# KiCad board Infernum breakout.kicad_pcb
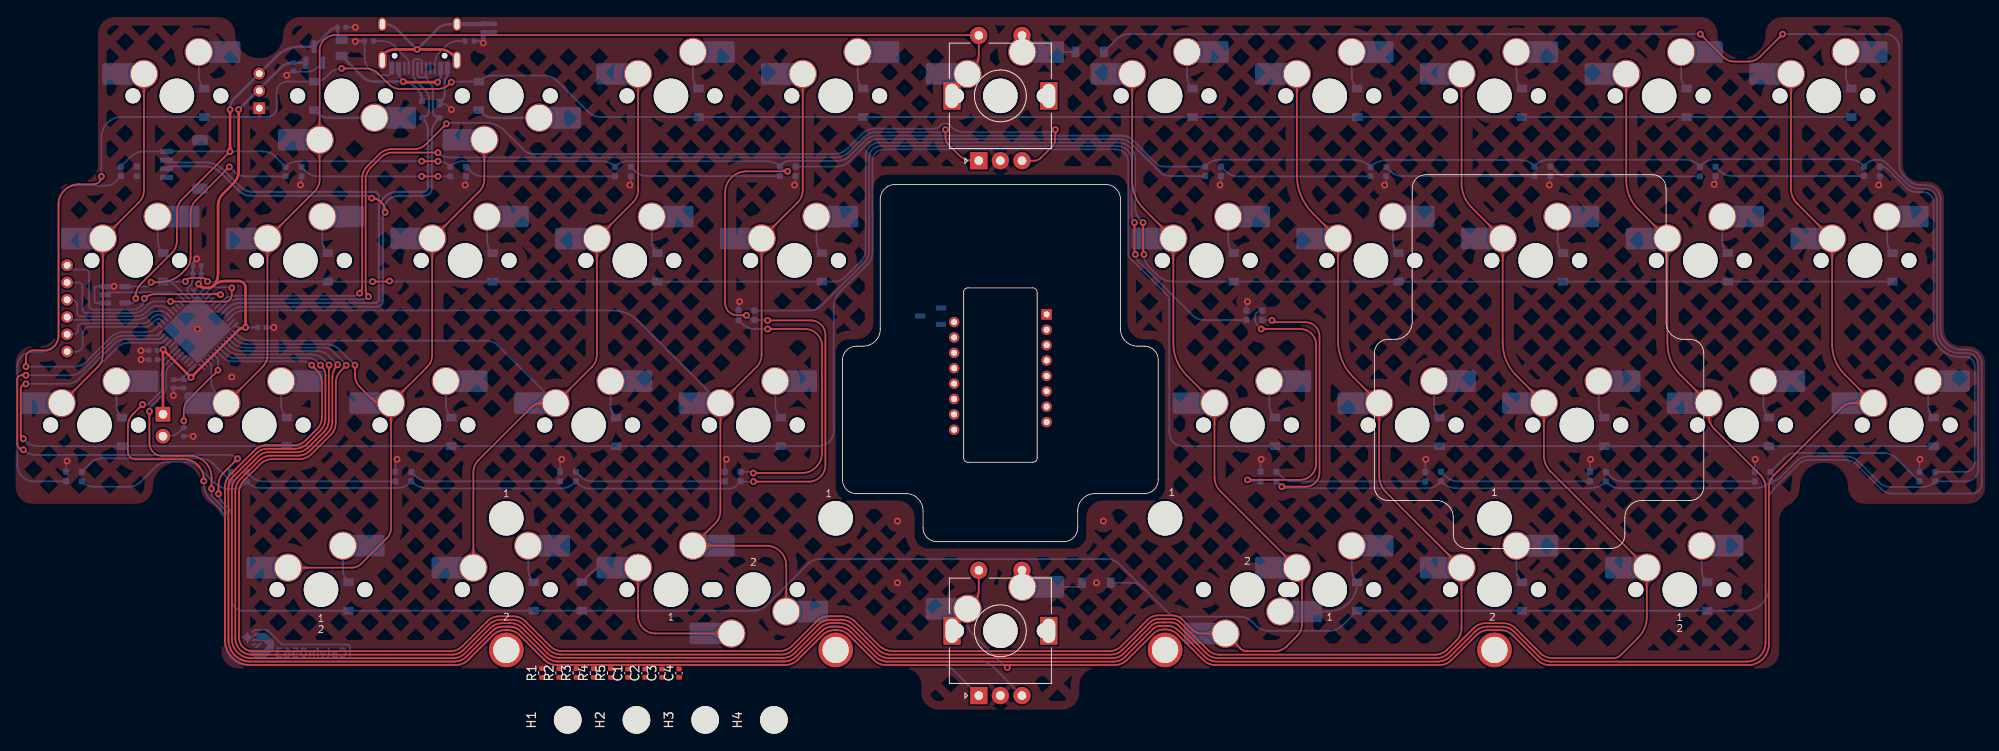
[diagram p0: board, top side]
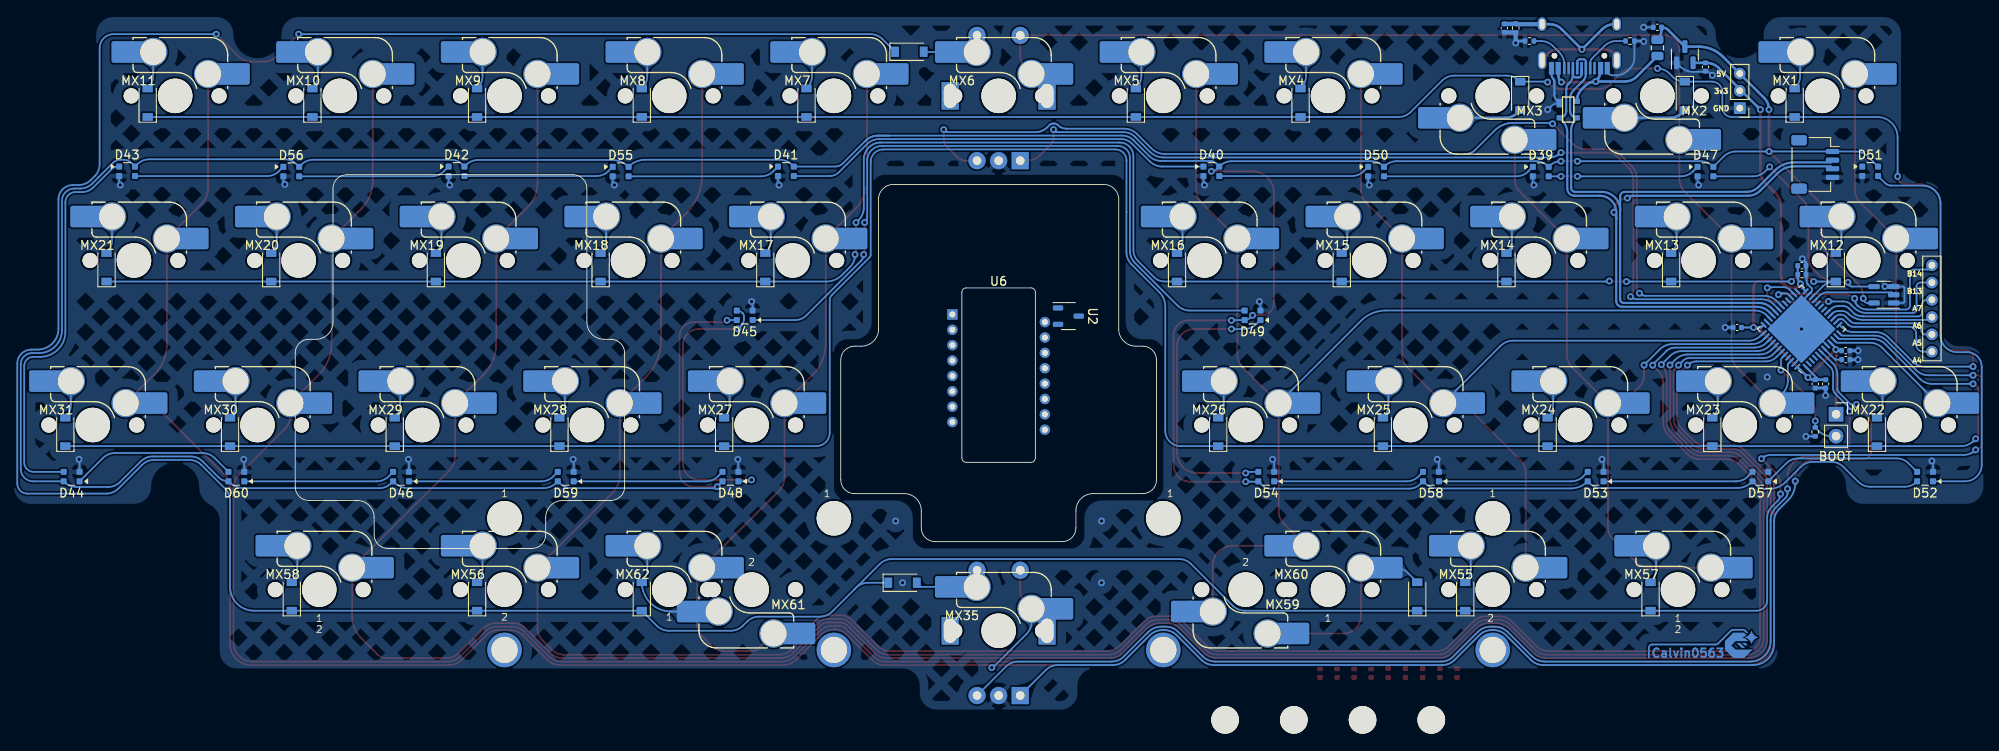
[diagram p1: board, bottom side, seen from below]

Outline 99.62 x 43.26 mm; copper layers: Top, Bottom. Coordinates in mm from the lower left corner of the outline.
Outline path: 0,21.83 arc(0.46,22.95) 1.59,23.42 2.38,23.42 arc(3.78,24) 4.37,25.4 4.37,40.55 arc(4.99,41.74) 6.28,42.14 30.23,42.14 arc(31.52,41.74) 32.15,40.55 32.15,25.4 arc(32.73,24) 34.13,23.42 34.93,23.42 arc(36.05,22.95) 36.51,21.83 36.51,7.94 arc(36.05,6.81) 34.93,6.35 29.18,6.35 arc(27.78,5.77) 27.2,4.37 27.2,2.38 arc(26.74,1.26) 25.61,0.79 10.9,0.79 arc(9.78,1.26) 9.31,2.38 9.31,4.37 arc(8.73,5.77) 7.33,6.35 1.59,6.35 arc(0.46,6.81) 0,7.94 0,21.83 ; 14.01,29.66 14.01,10.47 arc(14.15,10.12) 14.51,9.97 22.01,9.97 arc(22.36,10.12) 22.51,10.47 22.51,29.66 arc(22.36,30.02) 22.01,30.16 14.51,30.16 arc(14.15,30.02) 14.01,29.66 ; 61.52,22.62 61.52,7.14 arc(61.98,6.02) 63.1,5.56 68.66,5.56 arc(70.06,4.98) 70.64,3.57 70.64,1.59 arc(71.11,0.46) 72.23,0 88.9,0 arc(90.02,0.46) 90.49,1.59 90.49,3.57 arc(91.07,4.98) 92.47,5.56 98.03,5.56 arc(99.15,6.02) 99.62,7.14 99.62,22.62 arc(99.15,23.74) 98.03,24.21 97.23,24.21 arc(95.83,24.79) 95.25,26.19 95.25,41.67 arc(94.79,42.79) 93.66,43.26 67.47,43.26 arc(66.35,42.79) 65.88,41.67 65.88,26.19 arc(65.3,24.79) 63.9,24.21 63.1,24.21 arc(61.98,23.74) 61.52,22.62
Stack: Top 0.035mm / dielectric 1.51mm FR4 er 4.5 / Bottom 0.035mm

## Placement (name value [footprint] x y rotation side)
C1  4u7  [C_0402_1005Metric]  -24.83 -14.43 90 top
C2  100n  [C_0402_1005Metric]  -22.86 -14.43 90 top
C3  4u7  [C_0402_1005Metric]  -20.89 -14.43 90 top
C4  4u7  [C_0402_1005Metric]  -18.92 -14.43 90 top
C16  100nf  [C_0402_1005Metric]  -76.2 19.05 270 bottom
C17  100nf  [C_0402_1005Metric]  -79.72 22.9 180 bottom
C18  100nf  [C_0402_1005Metric]  -77.4 19.06 270 bottom
C19  100nf  [C_0402_1005Metric]  -74.66 31.7 180 bottom
C20  100nf  [C_0402_1005Metric]  -67.17 25.58 0 bottom
C21  10uF  [C_0402_1005Metric]  -74.65 32.73 180 bottom
C22  100nf  [C_0402_1005Metric]  -79.74 21.86 180 bottom
C_LDO1  1uF  [C_0402_1005Metric]  -57.94 60.33 0 bottom
C_LDO2  1uF  [C_0402_1005Metric]  -63.5 55.73 270 bottom
C_Shield1  4.7n  [C_0402_1005Metric]  -40.23 60.24 90 bottom
D1  SOD-123  [D_SOD-123]  -73.82 51.59 90 bottom
D2  SOD-123  [D_SOD-123]  -61.12 52.39 270 bottom
D3  SOD-123  [D_SOD-123]  -42.07 52.39 270 bottom
D4  SOD-123  [D_SOD-123]  -16.67 51.59 90 bottom
D5  SOD-123  [D_SOD-123]  2.38 51.59 90 bottom
D6  SOD-123  [D_SOD-123]  28.58 57.49 180 bottom
D7  SOD-123  [D_SOD-123]  40.48 51.59 90 bottom
D8  SOD-123  [D_SOD-123]  59.53 51.59 90 bottom
D9  SOD-123  [D_SOD-123]  78.58 51.59 90 bottom
D10  SOD-123  [D_SOD-123]  97.63 51.59 90 bottom
D11  SOD-123  [D_SOD-123]  116.68 51.59 90 bottom
D12  SOD-123  [D_SOD-123]  -78.58 32.54 90 bottom
D13  SOD-123  [D_SOD-123]  -59.53 32.54 90 bottom
D14  SOD-123  [D_SOD-123]  -40.48 32.54 90 bottom
D15  SOD-123  [D_SOD-123]  -21.43 32.54 90 bottom
D16  SOD-123  [D_SOD-123]  -2.38 32.54 90 bottom
D17  SOD-123  [D_SOD-123]  45.24 32.54 90 bottom
D18  SOD-123  [D_SOD-123]  64.29 32.54 90 bottom
D19  SOD-123  [D_SOD-123]  83.34 32.54 90 bottom
D20  SOD-123  [D_SOD-123]  102.39 32.54 90 bottom
D21  SOD-123  [D_SOD-123]  121.44 32.54 90 bottom
D22  SOD-123  [D_SOD-123]  -83.34 13.49 90 bottom
D23  SOD-123  [D_SOD-123]  -64.29 13.49 90 bottom
D24  SOD-123  [D_SOD-123]  -45.24 13.49 90 bottom
D25  SOD-123  [D_SOD-123]  -26.19 13.49 90 bottom
D26  SOD-123  [D_SOD-123]  -7.14 13.49 90 bottom
D27  SOD-123  [D_SOD-123]  50.01 13.49 90 bottom
D28  SOD-123  [D_SOD-123]  69.06 13.49 90 bottom
D29  SOD-123  [D_SOD-123]  88.11 13.49 90 bottom
D30  SOD-123  [D_SOD-123]  107.16 13.49 90 bottom
D31  SOD-123  [D_SOD-123]  126.21 13.49 90 bottom
D32  SOD-123  [D_SOD-123]  -57.15 -5.56 90 bottom
D33  SOD-123  [D_SOD-123]  -35.72 -5.56 90 bottom
D34  SOD-123  [D_SOD-123]  -30.16 -5.56 90 bottom
D35  SOD-123  [D_SOD-123]  29.37 -3.97 180 bottom
D36  SOD-123  [D_SOD-123]  59.53 -5.56 90 bottom
D37  SOD-123  [D_SOD-123]  78.58 -5.56 90 bottom
D38  SOD-123  [D_SOD-123]  100.01 -5.56 90 bottom
D39  WS2812B-2020  [LED_WS2812_2020]  -44.45 43.62 180 bottom
D40  WS2812B-2020  [LED_WS2812_2020]  -6.35 43.66 180 bottom
D41  WS2812B-2020  [LED_WS2812_2020]  42.86 43.66 180 bottom
D42  WS2812B-2020  [LED_WS2812_2020]  80.96 43.66 180 bottom
D43  WS2812B-2020  [LED_WS2812_2020]  119.06 43.66 180 bottom
D44  WS2812B-2020  [LED_WS2812_2020]  125.48 8.32 0 bottom
D45  WS2812B-2020  [LED_WS2812_2020]  47.62 26.99 0 bottom
D46  WS2812B-2020  [LED_WS2812_2020]  87.38 8.32 0 bottom
D47  WS2812B-2020  [LED_WS2812_2020]  -63.5 43.62 180 bottom
D48  WS2812B-2020  [LED_WS2812_2020]  49.28 8.32 0 bottom
D49  WS2812B-2020  [LED_WS2812_2020]  -11.11 26.99 0 bottom
D50  WS2812B-2020  [LED_WS2812_2020]  -25.4 43.62 180 bottom
D51  WS2812B-2020  [LED_WS2812_2020]  -82.55 43.66 180 bottom
D52  WS2812B-2020  [LED_WS2812_2020]  -88.9 8.32 0 bottom
D53  WS2812B-2020  [LED_WS2812_2020]  -50.8 8.32 0 bottom
D54  WS2812B-2020  [LED_WS2812_2020]  -12.7 8.32 0 bottom
D55  WS2812B-2020  [LED_WS2812_2020]  61.98 43.62 180 bottom
D56  WS2812B-2020  [LED_WS2812_2020]  100.08 43.62 180 bottom
D57  WS2812B-2020  [LED_WS2812_2020]  -69.85 8.32 0 bottom
D58  WS2812B-2020  [LED_WS2812_2020]  -31.75 8.32 0 bottom
D59  WS2812B-2020  [LED_WS2812_2020]  68.33 8.32 0 bottom
D60  WS2812B-2020  [LED_WS2812_2020]  106.43 8.32 0 bottom
F1  500mA  [Fuse_0805_2012Metric]  -57.94 57.94 90 bottom
G***  -  [LOGO]  -67.47 -11.11 180 bottom
H1  MountingHole  [MountingHole_3.2mm_M3]  -31.79 -19.84 90 top
H2  MountingHole  [MountingHole_3.2mm_M3]  -23.84 -19.84 90 top
H3  MountingHole  [MountingHole_3.2mm_M3]  -15.89 -19.84 90 top
H4  MountingHole  [MountingHole_3.2mm_M3]  -7.94 -19.84 90 top
J1  Conn_01x05_Socket  [PinHeader_1x06_P2.00mm_Vertical]  -89.69 22.78 180 top
J2  SM04B  [JST_SH_SM04B-SRSS-TB_1x04-1MP_P1.00mm_Horizontal]  -76.2 44.45 270 bottom
J3  Conn_01x03_Socket  [PinHeader_1x03_P2.00mm_Vertical]  -67.47 50.97 0 bottom
MX1  MX-NoLED  [SW_MX_HS_1u]  -76.99 52.39 180 bottom
MX2  MX-NoLED  [SW_MX_HS_1u]  -57.94 52.39 0 bottom
MX3  MX-NoLED  [SW_MX_HS_1u]  -38.89 52.39 0 bottom
MX4  MX-NoLED  [SW_MX_HS_1u]  -19.84 52.39 180 bottom
MX5  MX-NoLED  [SW_MX_HS_1u]  -0.79 52.39 180 bottom
MX6  MX-NoLED  [SW_MX_HS_1u]  18.26 52.39 180 bottom
MX7  MX-NoLED  [SW_MX_HS_1u]  37.31 52.39 180 bottom
MX8  MX-NoLED  [SW_MX_HS_1u]  56.36 52.39 180 bottom
MX9  MX-NoLED  [SW_MX_HS_1u]  75.41 52.39 180 bottom
MX10  MX-NoLED  [SW_MX_HS_1u]  94.46 52.39 180 bottom
MX11  MX-NoLED  [SW_MX_HS_1u]  113.51 52.39 180 bottom
MX12  MX-NoLED  [SW_MX_HS_1u]  -81.76 33.34 180 bottom
MX13  MX-NoLED  [SW_MX_HS_1u]  -62.71 33.34 180 bottom
MX14  MX-NoLED  [SW_MX_HS_1u]  -43.66 33.34 180 bottom
MX15  MX-NoLED  [SW_MX_HS_1u]  -24.61 33.34 180 bottom
MX16  MX-NoLED  [SW_MX_HS_1u]  -5.56 33.34 180 bottom
MX17  MX-NoLED  [SW_MX_HS_1u]  42.07 33.34 180 bottom
MX18  MX-NoLED  [SW_MX_HS_1u]  61.12 33.34 180 bottom
MX19  MX-NoLED  [SW_MX_HS_1u]  80.17 33.34 180 bottom
MX20  MX-NoLED  [SW_MX_HS_1u]  99.22 33.34 180 bottom
MX21  MX-NoLED  [SW_MX_HS_1u]  118.27 33.34 180 bottom
MX22  MX-NoLED  [SW_MX_HS_1u]  -86.52 14.29 180 bottom
MX23  MX-NoLED  [SW_MX_HS_1u]  -67.47 14.29 180 bottom
MX24  MX-NoLED  [SW_MX_HS_1u]  -48.42 14.29 180 bottom
MX25  MX-NoLED  [SW_MX_HS_1u]  -29.37 14.29 180 bottom
MX26  MX-NoLED  [SW_MX_HS_1u]  -10.32 14.29 180 bottom
MX27  MX-NoLED  [SW_MX_HS_1u]  46.83 14.29 180 bottom
MX28  MX-NoLED  [SW_MX_HS_1u]  65.88 14.29 180 bottom
MX29  MX-NoLED  [SW_MX_HS_1u]  84.93 14.29 180 bottom
MX30  MX-NoLED  [SW_MX_HS_1u]  103.98 14.29 180 bottom
MX31  MX-NoLED  [SW_MX_HS_1u]  123.03 14.29 180 bottom
MX35  MX-NoLED  [SW_MX_HS_1u]  18.26 -9.53 180 bottom
MX55  MX-NoLED  [SW_MX_HS_1u]  -38.89 -4.76 180 bottom
MX56  MX-NoLED  [SW_MX_HS_1u]  75.41 -4.76 180 bottom
MX57  MX-NoLED  [SW_MX_HS_1.25u]  -60.32 -4.76 180 bottom
MX58  MX-NoLED  [SW_MX_HS_1.25u]  96.84 -4.76 180 bottom
MX59  MX-NoLED  [SW_MX_HS_1u]  -10.32 -4.76 0 bottom
MX60  MX-NoLED  [SW_MX_HS_1u]  -19.84 -4.76 180 bottom
MX61  MX-NoLED  [SW_MX_HS_1u]  46.83 -4.76 0 bottom
MX62  MX-NoLED  [SW_MX_HS_1u]  56.36 -4.76 180 bottom
R1  10k  [R_0402_1005Metric]  -34.77 -14.41 90 top
R2  39  [R_0402_1005Metric]  -32.78 -14.41 90 top
R3  10k  [R_0402_1005Metric]  -30.79 -14.41 90 top
R4  4k7  [R_0402_1005Metric]  -28.8 -14.41 90 top
R5  4k7  [R_0402_1005Metric]  -26.81 -14.41 90 top
R6  10k  [R_0402_1005Metric]  -76.2 13.49 270 bottom
R_Shield1  1M  [R_0402_1005Metric]  -41.55 60.24 270 bottom
R_USB1  5.1k  [R_0402_1005Metric]  -54.77 58.74 180 bottom
R_USB2  5.1k  [R_0402_1005Metric]  -43.15 58.74 0 bottom
S3  3u  [STAB_MX_P_3u]  56.36 -4.76 180 top
S4  3u  [STAB_MX_P_3u]  -19.84 -4.76 180 top
SW1  RotaryEncoder_Switch  [RotaryEncoder_Alps_EC11E-Switch_Vertical_H20mm]  15.76 44.89 90 top
SW2  RotaryEncoder_Switch  [RotaryEncoder_Alps_EC11E-Switch_Vertical_H20mm]  15.76 -17.03 90 top
SW5  SKQGABE010  [PinSocket_1x02_P2.54mm_Vertical]  -78.61 15.54 180 bottom
U1  STM32F072CBUx  [QFN-48-1EP_7x7mm_P0.5mm_EP5.6x5.6mm]  -74.61 25.4 45 bottom
U2  XC6206P202MR  [SOT-23-3]  10.18 26.89 180 bottom
U3  XC6206PxxxMR  [SOT-23]  -61.12 57.15 90 bottom
U4  PRTR5V0U2X  [SOT143B]  -47.62 50.8 180 bottom
U5  74AHCT1G125  [SOT-23-5]  -84.14 29.37 0 bottom
U6  PMW3360DM-T2QU_1  [PixArt_PMW3360DM-T2QU]  18.26 21.43 180 bottom
USB1  HRO-TYPE-C-31-M-12  [HRO-TYPE-C-31-M-12-Assembly]  -48.92 63.28 0 bottom

## Library data of the parts
C1 C3 C4 = -: Description: 0402 capacitor; LCSC: C23733; Voltage: 10V; ki_fp_filters: C_*
C2 = -: Description: 0402 capacitor; LCSC: C307331; Voltage: 50V; ki_fp_filters: C_*
C16-C22 C_LDO1 C_LDO2 C_Shield1 = -: ki_fp_filters: C_*
D1-D38 = -: ki_fp_filters: TO-???* *_Diode_* *SingleDiode* D_*
D39-D60 = -: Datasheet: http://www.world-semi.com/DownLoadFile/112; ki_fp_filters: LED*SK6812MINI*PLCC*3.5x3.5mm*P1.75mm*
F1 = -: ki_fp_filters: *polyfuse* *PTC*
H1-H4 = -: Description: Mounting Hole without connection; ki_fp_filters: MountingHole*
J1-J3 = -: ki_fp_filters: Connector*:*_1x??_*
R1 R3 = -: Description: 0402 resistor; LCSC: C25744; ki_fp_filters: R_*
R2 = -: Description: 0402 resistor; LCSC: C25164; ki_fp_filters: R_*
R4 R5 = -: Description: 0402 resistor; LCSC: C25900; ki_fp_filters: R_*
R6 R_Shield1 R_USB1 R_USB2 = -: ki_fp_filters: R_*
SW1 SW2 = -: ki_fp_filters: RotaryEncoder*Switch*
U1 = -: Datasheet: https://www.st.com/resource/en/datasheet/stm32f072cb.pdf; ki_fp_filters: QFN*1EP*7x7mm*P0.5mm*
U2 = -: Datasheet: https://www.torexsemi.com/file/xc6206/XC6206.pdf; LCSC: C2891260; ki_fp_filters: SOT?23?3*
U3 = -: Datasheet: https://www.torexsemi.com/file/xc6206/XC6206.pdf; ki_fp_filters: SOT?23*
U5 = -: Datasheet: http://www.ti.com/lit/sg/scyt129e/scyt129e.pdf; ki_fp_filters: SOT* SG-*
U6 = -: Description: Optical sensor

## Footprints (pads in the part's own frame, mm; a bottom-side part is the same pattern mirrored in y, then rotated)
C_0402_1005Metric
  rrect 0.56x0.62 smd: 1(-0.48,0) 2(0.48,0)
D_SOD-123
  rect 0.9x1.2 smd: 1(-1.65,0) 2(1.65,0)
Fuse_0805_2012Metric
  rrect 0.975x1.4 smd: 1(-0.938,0) 2(0.938,0)
HRO-TYPE-C-31-M-12-Assembly
  round 0.65 hole 0.65 unplated: (-2.89,6.25) (2.89,6.25)
  rect 0.6x1.45 smd: 1(-3.225,7.695) 2(-2.45,7.695) 11(2.45,7.695) 12(3.225,7.695)
  rect 0.3x1.45 smd: 3(-1.75,7.695) 4(-1.25,7.695) 5(-0.75,7.695) 6(-0.25,7.695) 7(0.25,7.695) 8(0.75,7.695) 9(1.25,7.695) 10(1.75,7.695)
  oval 1x1.6 hole 0.6x1.2: 13(-4.32,2.6) 13(4.32,2.6)
  oval 1x2.1 hole 0.6x1.7: 13(-4.32,6.78) 13(4.32,6.78)
JST_SH_SM04B-SRSS-TB_1x04-1MP_P1.00mm_Horizontal
  rrect 0.6x1.55 smd: 1(-1.5,2) 2(-0.5,2) 3(0.5,2) 4(1.5,2)
  rrect 1.2x1.8 smd: MP(-2.8,-1.875) MP(2.8,-1.875)
LED_WS2812_2020
  rrect 0.7x0.7 smd: 1(-0.915,0.55) 2(-0.915,-0.55) 3(0.915,-0.55) 4(0.915,0.55)
MountingHole_3.2mm_M3
  round 3.2 hole 3.2 unplated: (0,0)
PinHeader_1x03_P2.00mm_Vertical
  rect 1.35x1.35 hole 0.8: 1(0,0)
  oval 1.35x1.35 hole 0.8: 2(0,-2) 3(0,-4)
PinHeader_1x06_P2.00mm_Vertical
  oval 1.35x1.35 hole 0.8: 1(0,0) 2(0,-2) 3(0,-4) 4(0,-6) 5(0,-8) 6(0,-10)
PinSocket_1x02_P2.54mm_Vertical
  rect 1.7x1.7 hole 1: 1(0,0)
  oval 1.7x1.7 hole 1: 2(0,-2.54)
PixArt_PMW3360DM-T2QU
  rect 1.2x1.2 hole 0.7: 1(-5.35,5.66)
  round 1.2 hole 0.7: 2(-5.35,3.88) 3(-5.35,2.1) 4(-5.35,0.32) 5(-5.35,-1.46) 6(-5.35,-3.24) 7(-5.35,-5.02) 8(-5.35,-6.8) 9(5.35,-7.69) 10(5.35,-5.91) 11(5.35,-4.13) 12(5.35,-2.35) 13(5.35,-0.57) 14(5.35,1.21) 15(5.35,2.99) 16(5.35,4.77)
QFN-48-1EP_7x7mm_P0.5mm_EP5.6x5.6mm
  rrect 1.13x1.13 smd: (-2.1,-2.1) (-2.1,-0.7) (-2.1,0.7) (-2.1,2.1) (-0.7,-2.1) (-0.7,-0.7) (-0.7,0.7) (-0.7,2.1) (0.7,-2.1) (0.7,-0.7) (0.7,0.7) (0.7,2.1) (2.1,-2.1) (2.1,-0.7) (2.1,0.7) (2.1,2.1)
  rrect 0.875x0.25 smd: 1(-3.438,2.75) 2(-3.438,2.25) 3(-3.438,1.75) 4(-3.438,1.25) 5(-3.438,0.75) 6(-3.438,0.25) 7(-3.438,-0.25) 8(-3.438,-0.75) 9(-3.438,-1.25) 10(-3.438,-1.75) 11(-3.438,-2.25) 12(-3.438,-2.75) 25(3.438,-2.75) 26(3.438,-2.25) 27(3.438,-1.75) 28(3.438,-1.25) 29(3.438,-0.75) 30(3.438,-0.25) 31(3.438,0.25) 32(3.438,0.75) 33(3.438,1.25) 34(3.438,1.75) 35(3.438,2.25) 36(3.438,2.75)
  rrect 0.25x0.875 smd: 13(-2.75,-3.438) 14(-2.25,-3.438) 15(-1.75,-3.438) 16(-1.25,-3.438) 17(-0.75,-3.438) 18(-0.25,-3.438) 19(0.25,-3.438) 20(0.75,-3.438) 21(1.25,-3.438) 22(1.75,-3.438) 23(2.25,-3.438) 24(2.75,-3.438) 37(2.75,3.438) 38(2.25,3.438) 39(1.75,3.438) 40(1.25,3.438) 41(0.75,3.438) 42(0.25,3.438) 43(-0.25,3.438) 44(-0.75,3.438) 45(-1.25,3.438) 46(-1.75,3.438) 47(-2.25,3.438) 48(-2.75,3.438)
  rect 5.6x5.6 smd: 49(0,0)
R_0402_1005Metric
  rrect 0.54x0.64 smd: 1(-0.51,0) 2(0.51,0)
RotaryEncoder_Alps_EC11E-Switch_Vertical_H20mm
  rect 2x2 hole 1: A(0,0)
  round 2 hole 1: B(0,-5) C(0,-2.5) S1(14.5,-5) S2(14.5,0)
  rect 3.2x2 hole 2.8x1.5: MP(7.5,3.1) MP(7.5,-8.1)
SOT143B
  rect 0.7x1 smd: 1(-1,0.75)
  rect 0.7x0.6 smd: 2(-1,-0.95) 3(1,-0.95) 4(1,0.95)
SOT-23
  rrect 1.475x0.6 smd: 1(-0.938,0.95) 2(-0.938,-0.95) 3(0.938,0)
SOT-23-3
  rrect 1.2x0.6 smd: 1(-1.2,0.95) 2(-1.2,-0.95) 3(1.2,0)
SOT-23-5
  rrect 1.325x0.6 smd: 1(-1.137,0.95) 2(-1.137,0) 3(-1.137,-0.95) 4(1.137,-0.95) 5(1.137,0.95)
STAB_MX_P_3u
  round 4 hole 3.048: (-19.05,6.985) (19.05,6.985)
  round 3.988 hole 3.988 unplated: (-19.05,-8.255) (19.05,-8.255)
SW_MX_HS_1.25u
  round 1.75 hole 1.75 unplated: (-5.08,0) (5.08,0)
  round 3.988 hole 3.988 unplated: (0,0)
  round 3.3 hole 3: 1(3.81,2.54) 2(-2.54,5.08)
  rect 1.65x2.5 smd: 1(5.635,2.54) 2(-4.34,5.08)
  rrect 2.55x2.5 smd: 1(7.36,2.54) 2(-6.09,5.08)
SW_MX_HS_1u
  round 1.75 hole 1.75 unplated: (-5.08,0) (5.08,0)
  round 3.988 hole 3.988 unplated: (0,0)
  round 3.3 hole 3: 1(3.81,2.54) 2(-2.54,5.08)
  rect 1.65x2.5 smd: 1(5.635,2.54) 2(-4.34,5.08)
  rrect 2.55x2.5 smd: 1(7.36,2.54) 2(-6.09,5.08)

## Nets
+2V: C4.2 R2.2 U2.2 U6.4
+3V3: C3.2 C16.1 C17.1 C18.1 C19.1 C20.1 C21.1 C_LDO2.1 J3.2 R1.2 R3.2 R4.1 R5.1 SW5.1 U1.1 U1.9 U1.24 U1.36 U1.48 U2.3 U3.2 U6.5
+5V: C_LDO1.1 D39.4 D40.4 D41.4 D42.4 D43.4 D44.4 D45.4 D46.4 D47.4 D48.4 D49.4 D50.4 D51.4 D52.4 D53.4 D54.4 D55.4 D56.4 D57.4 D58.4 D59.4 D60.4 F1.2 J2.1 J3.3 U3.3 U5.5
GND: C1.2 C2.1 C3.1 C4.1 C16.2 C17.2 C18.2 C19.2 C20.2 C21.2 C22.2 C_LDO1.2 C_LDO2.2 C_Shield1.1 D39.2 D40.2 D41.2 D42.2 D43.2 D44.2 D45.2 D46.2 D47.2 D48.2 D49.2 D50.2 D51.2 D52.2 D53.2 D54.2 D55.2 D56.2 D57.2 D58.2 D59.2 D60.2 J2.4 J3.1 R6.2 R_Shield1.2 R_USB1.2 R_USB2.2 SW1.C SW2.C U1.8 U1.23 U1.35 U1.47 U1.49 U2.1 U3.1 U4.1 U5.1 U5.3 U6.8 USB1.1 USB1.12
GNDREF: C_Shield1.2 R_Shield1.1 USB1.13
VCC: F1.1 U4.4 USB1.2 USB1.11
/MCU & Power/A4: J1.1 U1.14
/MCU & Power/A5: J1.2 U1.15
/MCU & Power/A6: J1.3 U1.16
/MCU & Power/A7: J1.4 U1.17
/MCU & Power/B13: J1.5 U1.26
/MCU & Power/B14: J1.6 U1.27
BOOT0: R6.1 SW5.2 U1.44
Col 0: MX1.1 MX12.1 MX22.1 U1.10
Col 1: MX2.2 MX6.1 MX13.1 MX23.1 SW1.S2 U1.46
Col 2: MX3.2 MX14.1 MX24.1 MX57.1 U1.38
Col 3: MX4.1 MX15.1 MX25.1 MX55.1 U1.37
Col 4: MX5.1 MX16.1 MX26.1 MX59.1 MX60.2 U1.34
Col 5: MX7.1 MX17.1 MX27.1 MX61.2 MX62.1 U1.39
Col 6: MX8.1 MX18.1 MX28.1 MX56.1 U1.40
Col 7: MX9.1 MX19.1 MX29.1 MX58.1 U1.41
Col 8: MX10.1 MX20.1 MX30.1 U1.42
Col 9: MX11.1 MX21.1 MX31.1 MX35.1 SW2.S2 U1.43
CS: U6.13
D+: J2.3 U1.33 U4.2 USB1.6 USB1.8
D-: J2.2 U1.32 U4.3 USB1.5 USB1.7
enc1A: SW1.A U1.31
enc1B: SW1.B U1.30
enc2A: SW2.A U1.6
enc2B: SW2.B U1.5
MISO: R3.1 U6.12
MOSI: U6.11
NRST: C22.1 U1.7
RGB: D47.3 U5.4
RGBLED: U1.21 U5.2
Row 0: D1.1 D2.1 D3.1 D4.1 D5.1 D7.1 D8.1 D9.1 D10.1 D11.1 U1.13
Row 1: D12.1 D13.1 D14.1 D15.1 D16.1 D17.1 D18.1 D19.1 D20.1 D21.1 U1.22
Row 2: D22.1 D23.1 D24.1 D25.1 D26.1 D27.1 D28.1 D29.1 D30.1 D31.1 U1.11
Row 3: D6.1 D32.1 D33.1 D34.1 D35.1 D36.1 D37.1 D38.1 U1.12
SCK: U6.10
SCL: R5.2
SDA: R4.2
Net-(D1-A): D1.2 MX1.2
Net-(D2-A): D2.2 MX2.1
Net-(D3-A): D3.2 MX3.1
Net-(D4-A): D4.2 MX4.2
Net-(D5-A): D5.2 MX5.2
Net-(D6-A): D6.2 MX6.2 SW1.S1
Net-(D7-A): D7.2 MX7.2
Net-(D8-A): D8.2 MX8.2
Net-(D9-A): D9.2 MX9.2
Net-(D10-A): D10.2 MX10.2
Net-(D11-A): D11.2 MX11.2
Net-(D12-A): D12.2 MX12.2
Net-(D13-A): D13.2 MX13.2
Net-(D14-A): D14.2 MX14.2
Net-(D15-A): D15.2 MX15.2
Net-(D16-A): D16.2 MX16.2
Net-(D17-A): D17.2 MX17.2
Net-(D18-A): D18.2 MX18.2
Net-(D19-A): D19.2 MX19.2
Net-(D20-A): D20.2 MX20.2
Net-(D21-A): D21.2 MX21.2
Net-(D22-A): D22.2 MX22.2
Net-(D23-A): D23.2 MX23.2
Net-(D24-A): D24.2 MX24.2
Net-(D25-A): D25.2 MX25.2
Net-(D26-A): D26.2 MX26.2
Net-(D27-A): D27.2 MX27.2
Net-(D28-A): D28.2 MX28.2
Net-(D29-A): D29.2 MX29.2
Net-(D30-A): D30.2 MX30.2
Net-(D31-A): D31.2 MX31.2
Net-(D32-A): D32.2 MX57.2
Net-(D33-A): D33.2 MX55.2
Net-(D34-A): D34.2 MX59.2 MX60.1
Net-(D35-A): D35.2 MX35.2 SW2.S1
Net-(D36-A): D36.2 MX61.1 MX62.2
Net-(D37-A): D37.2 MX56.2
Net-(D38-A): D38.2 MX58.2
Net-(D39-DIN): D39.3 D47.1
Net-(D39-DOUT): D39.1 D50.3
Net-(D40-DIN): D40.3 D50.1
Net-(D40-DOUT): D40.1 D41.3
Net-(D41-DOUT): D41.1 D55.3
Net-(D42-DIN): D42.3 D55.1
Net-(D42-DOUT): D42.1 D56.3
Net-(D43-DIN): D43.3 D56.1
Net-(D43-DOUT): D43.1 D44.3
Net-(D44-DOUT): D44.1 D60.3
Net-(D45-DIN): D45.3 D48.1
Net-(D45-DOUT): D45.1 D49.3
Net-(D46-DIN): D46.3 D60.1
Net-(D46-DOUT): D46.1 D59.3
Net-(D48-DIN): D48.3 D59.1
Net-(D49-DOUT): D49.1 D54.3
Net-(D51-DIN): D51.3 D52.1
Net-(D52-DIN): D52.3 D57.1
Net-(D53-DIN): D53.3 D58.1
Net-(D53-DOUT): D53.1 D57.3
Net-(D54-DOUT): D54.1 D58.3
Net-(U6-LED_P): R2.1 U6.15
Net-(U6-NRESET): R1.1 U6.7
Net-(U6-VDDPIX): C1.1 C2.2 U6.3
Net-(USB1-CC1): R_USB1.1 USB1.4
Net-(USB1-CC2): R_USB2.1 USB1.10

Pads without a net: D51 1; J2 MP; SW1 MP; SW2 MP; U1 2 3 4 18 19 20 25 28 29 45; U6 1 2 6 9 14 16; USB1 3 9

## Via types
v1: diameter 0.8, hole 0.4, Top to Bottom, 110 vias

## Routing (per net, layer and track width the routed paths; a pad name or vN(x,y) marks a point on that pad's centre or on a via; arc(x,y) is an arc through that point)
+3V3: length 77.4
  Top w0.3: SW5.1 -78.61,22.99 v1(-78.58,23.02) v1(-75.36,19.79) -69.88,25.27 arc(-69.54,25.5) -69.14,25.58 v1(-69.06,25.58) -69.06,30.16 arc(-69.29,30.72) -69.85,30.96 -71.4,30.96 arc(-72.17,30.8) -72.82,30.37 ; v1(-74.5,30.62) -74.2,30.32 arc(-74.02,30.2) -73.82,30.16 -73.32,30.16 arc(-73.05,30.22) -72.82,30.37 ; v1(-69.85,50.8) -69.85,43.69 arc(-70,42.93) -70.44,42.28 -71.65,41.07 arc(-72.08,40.42) -72.23,39.65 -72.23,31.78 arc(-72.38,31.02) -72.82,30.37
  Bottom w0.25: C17.1 -78.7,22.9 v1(-78.58,23.02) -78.58,23.2 U1.9 ; U1.36 -69.93,25.58 C20.1 ; U1.24 -74.66,30.21 arc(-74.54,30.39) -74.5,30.61 v1(-74.5,30.62) arc(-74.26,30.98) -74.18,31.4 C19.1 -74.18,32.73 C21.1 ; U1.1 -76.39,19.73 arc(-76.61,19.59) -76.86,19.54 C18.1 -75.82,19.54 arc(-75.63,19.57) -75.47,19.68 v1(-75.36,19.79) U1.48
  Bottom w0.3: U3.2 -63.5,56.21 C_LDO2.1 -63.61,56.21 arc(-64.38,56.06) -65.03,55.62 v1(-69.85,50.8)
+5V: length 559.2
  Top w0.2: v1(-6.35,43.66) -11.09,43.66 arc(-12.86,42.93) -13.59,41.16 -13.59,28.42 arc(-13.17,27.41) -12.16,26.99 v1(-11.11,26.99) ; v1(50.8,7.14) 53.54,7.14 arc(54.69,7.62) 55.17,8.77 55.17,24.56 arc(54.69,25.71) 53.53,26.19 49.89,26.19 v1(49.67,26.41) ; v1(-10.32,7.73) -3.92,7.73 arc(-2.55,8.3) -1.98,9.67 -1.98,24.7 arc(-2.48,25.9) -3.68,26.4 v1(-8.67,26.4) ; v1(-70.85,45.95) -76.41,40.39 arc(-76.84,39.74) -76.99,38.98 -76.99,35.61 arc(-77.15,34.85) -77.58,34.2 -81.17,30.61 arc(-81.6,29.96) -81.76,29.19 v1(-81.76,28.94) ; v1(-48.69,44.82) v1(-46.79,44.82)
  Top w0.3: v1(-70.85,45.95) -70.85,45.95 v1(-70.85,50.8)
  Bottom w0.2: U5.5 -82.28,28.42 arc(-81.91,28.57) v1(-81.76,28.94) ; v1(-48.69,44.82) -48.69,44.82 -62.94,44.82 arc(-63.7,44.67) -64.35,44.24 D47.4 -65.6,45.36 arc(-66.25,45.8) -67.02,45.95 v1(-70.85,45.95) J2.1 -80.89,45.95 arc(-81.66,45.8) -82.31,45.36 D51.4 ; v1(49.67,26.41) 49.64,26.44 D45.4 ; D40.4 -6.97,43.91 arc(-6.69,43.72) v1(-6.35,43.66) ; D40.4 -6.91,44.56 -6.84,44.63 -6.67,44.74 -6.49,44.82 -6.3,44.85 -6.2,44.86 -0.54,44.86 arc(0.2,45) 0.82,45.42 2.64,47.23 arc(3.25,47.64) 3.97,47.79 30.96,47.79 ; D40.4 -7.3,44.24 arc(-7.95,44.67) -8.71,44.82 -24.84,44.82 arc(-25.6,44.67) -26.25,44.24 D50.4 -26.38,44.24 arc(-27.03,44.67) -27.79,44.82 -43.89,44.82 arc(-44.65,44.67) -45.3,44.24 D39.4 -45.46,44.27 arc(-46.07,44.68) v1(-46.79,44.82) ; 32.23,47.79 30.96,47.79 ; 32.23,47.79 30.96,47.79 ; 32.23,47.79 arc(32.99,47.64) 33.64,47.2 ; 32.23,47.79 arc(32.99,47.64) 33.64,47.2 ; v1(-10.32,7.73) -11.75,7.73 D54.4 -12.3,7.26 arc(-12.67,7.01) -13.11,6.92 -29.26,6.92 arc(-29.93,7.06) -30.5,7.44 -30.83,7.77 -30.99,7.61 arc(-31.73,7.12) -32.59,6.95 -47.9,6.95 arc(-48.98,7.16) -49.88,7.77 D53.4 -50.13,7.53 arc(-50.71,7.13) -51.4,7 -67.18,7 arc(-68.09,7.18) -68.86,7.69 D57.4 -69.44,7.26 arc(-69.85,6.99) -70.33,6.9 -70.87,6.9 arc(-71.9,7.1) -72.77,7.69 -74.53,9.44 arc(-75.17,9.87) -75.94,10.02 -78.05,10.02 arc(-78.81,9.87) -79.46,9.44 -81.17,7.73 arc(-81.82,7.3) -82.58,7.14 -86.53,7.14 arc(-87.3,7.3) -87.95,7.73 -87.98,7.77 ; v1(-8.67,26.4) -8.7,26.44 D49.4 arc(-10.53,26.5) -10.82,26.7 v1(-11.11,26.99) ; 33.64,47.2 36.27,44.57 arc(36.68,44.3) 37.16,44.21 D41.4 42.15,44.41 arc(42.8,44.84) 43.57,45 59.13,45 arc(60.16,44.79) 61.02,44.21 D55.4 arc(61.94,44.76) 62.98,44.97 78.45,44.97 arc(79.22,44.82) 79.87,44.38 D42.4 80.32,44.48 arc(80.89,44.86) 81.57,45 97.51,45 arc(98.28,44.84) 98.93,44.41 99.16,44.17 99.45,44.46 arc(100.1,44.89) 100.86,45.05 116.48,45.05 arc(117.24,44.89) 117.89,44.46 D43.4 118.57,44.63 arc(118.98,44.9) 119.46,45 119.86,45 arc(120.3,44.91) 120.67,44.66 122.35,42.98 122.35,42.98 123.07,42.25 arc(123.73,41.82) 124.51,41.66 125.17,41.66 arc(126.18,41.24) 126.6,40.23 126.6,25.27 arc(127.38,23.39) 129.25,22.62 130.05,22.62 arc(130.98,22.24) 131.36,21.31 131.36,9.2 arc(130.94,8.19) 129.93,7.77 D44.4 126.33,7.7 arc(125.68,7.27) 124.91,7.12 121.28,7.12 arc(120.51,7.27) 119.86,7.7 117.5,10.07 arc(116.85,10.5) 116.09,10.65 111.72,10.65 arc(110.95,10.5) 110.31,10.07 108.48,8.24 arc(107.96,7.89) D60.4 107.26,7.68 arc(106.47,7.16) 105.54,6.97 89.92,6.97 arc(89.15,7.12) 88.5,7.56 D46.4 88.19,7.67 arc(87.42,7.15) 86.51,6.97 70.97,6.97 arc(70.11,7.14) 69.38,7.63 D59.4 69.03,7.56 arc(68.38,7.12) 67.62,6.97 51.21,6.97 arc(50.99,7.02) v1(50.8,7.14) 50.2,7.74 arc(50.19,7.75) D48.4 50.26,7.7